# Altium PCB PCB1.PcbDoc (part 3 of 5)
Units mm, origin at the board's own origin, x right, y up, seen from the top; angles counter-clockwise.
Board outline 50 x 50 mm, 6 copper layers (Top Layer, Int1 (GND), Int2 (Sign), Int3 (Sign), Int4 (Sign), Bottom Layer), stack 1.551 mm thick; 306 components, 209 nets, 1178 pads, 764 vias.
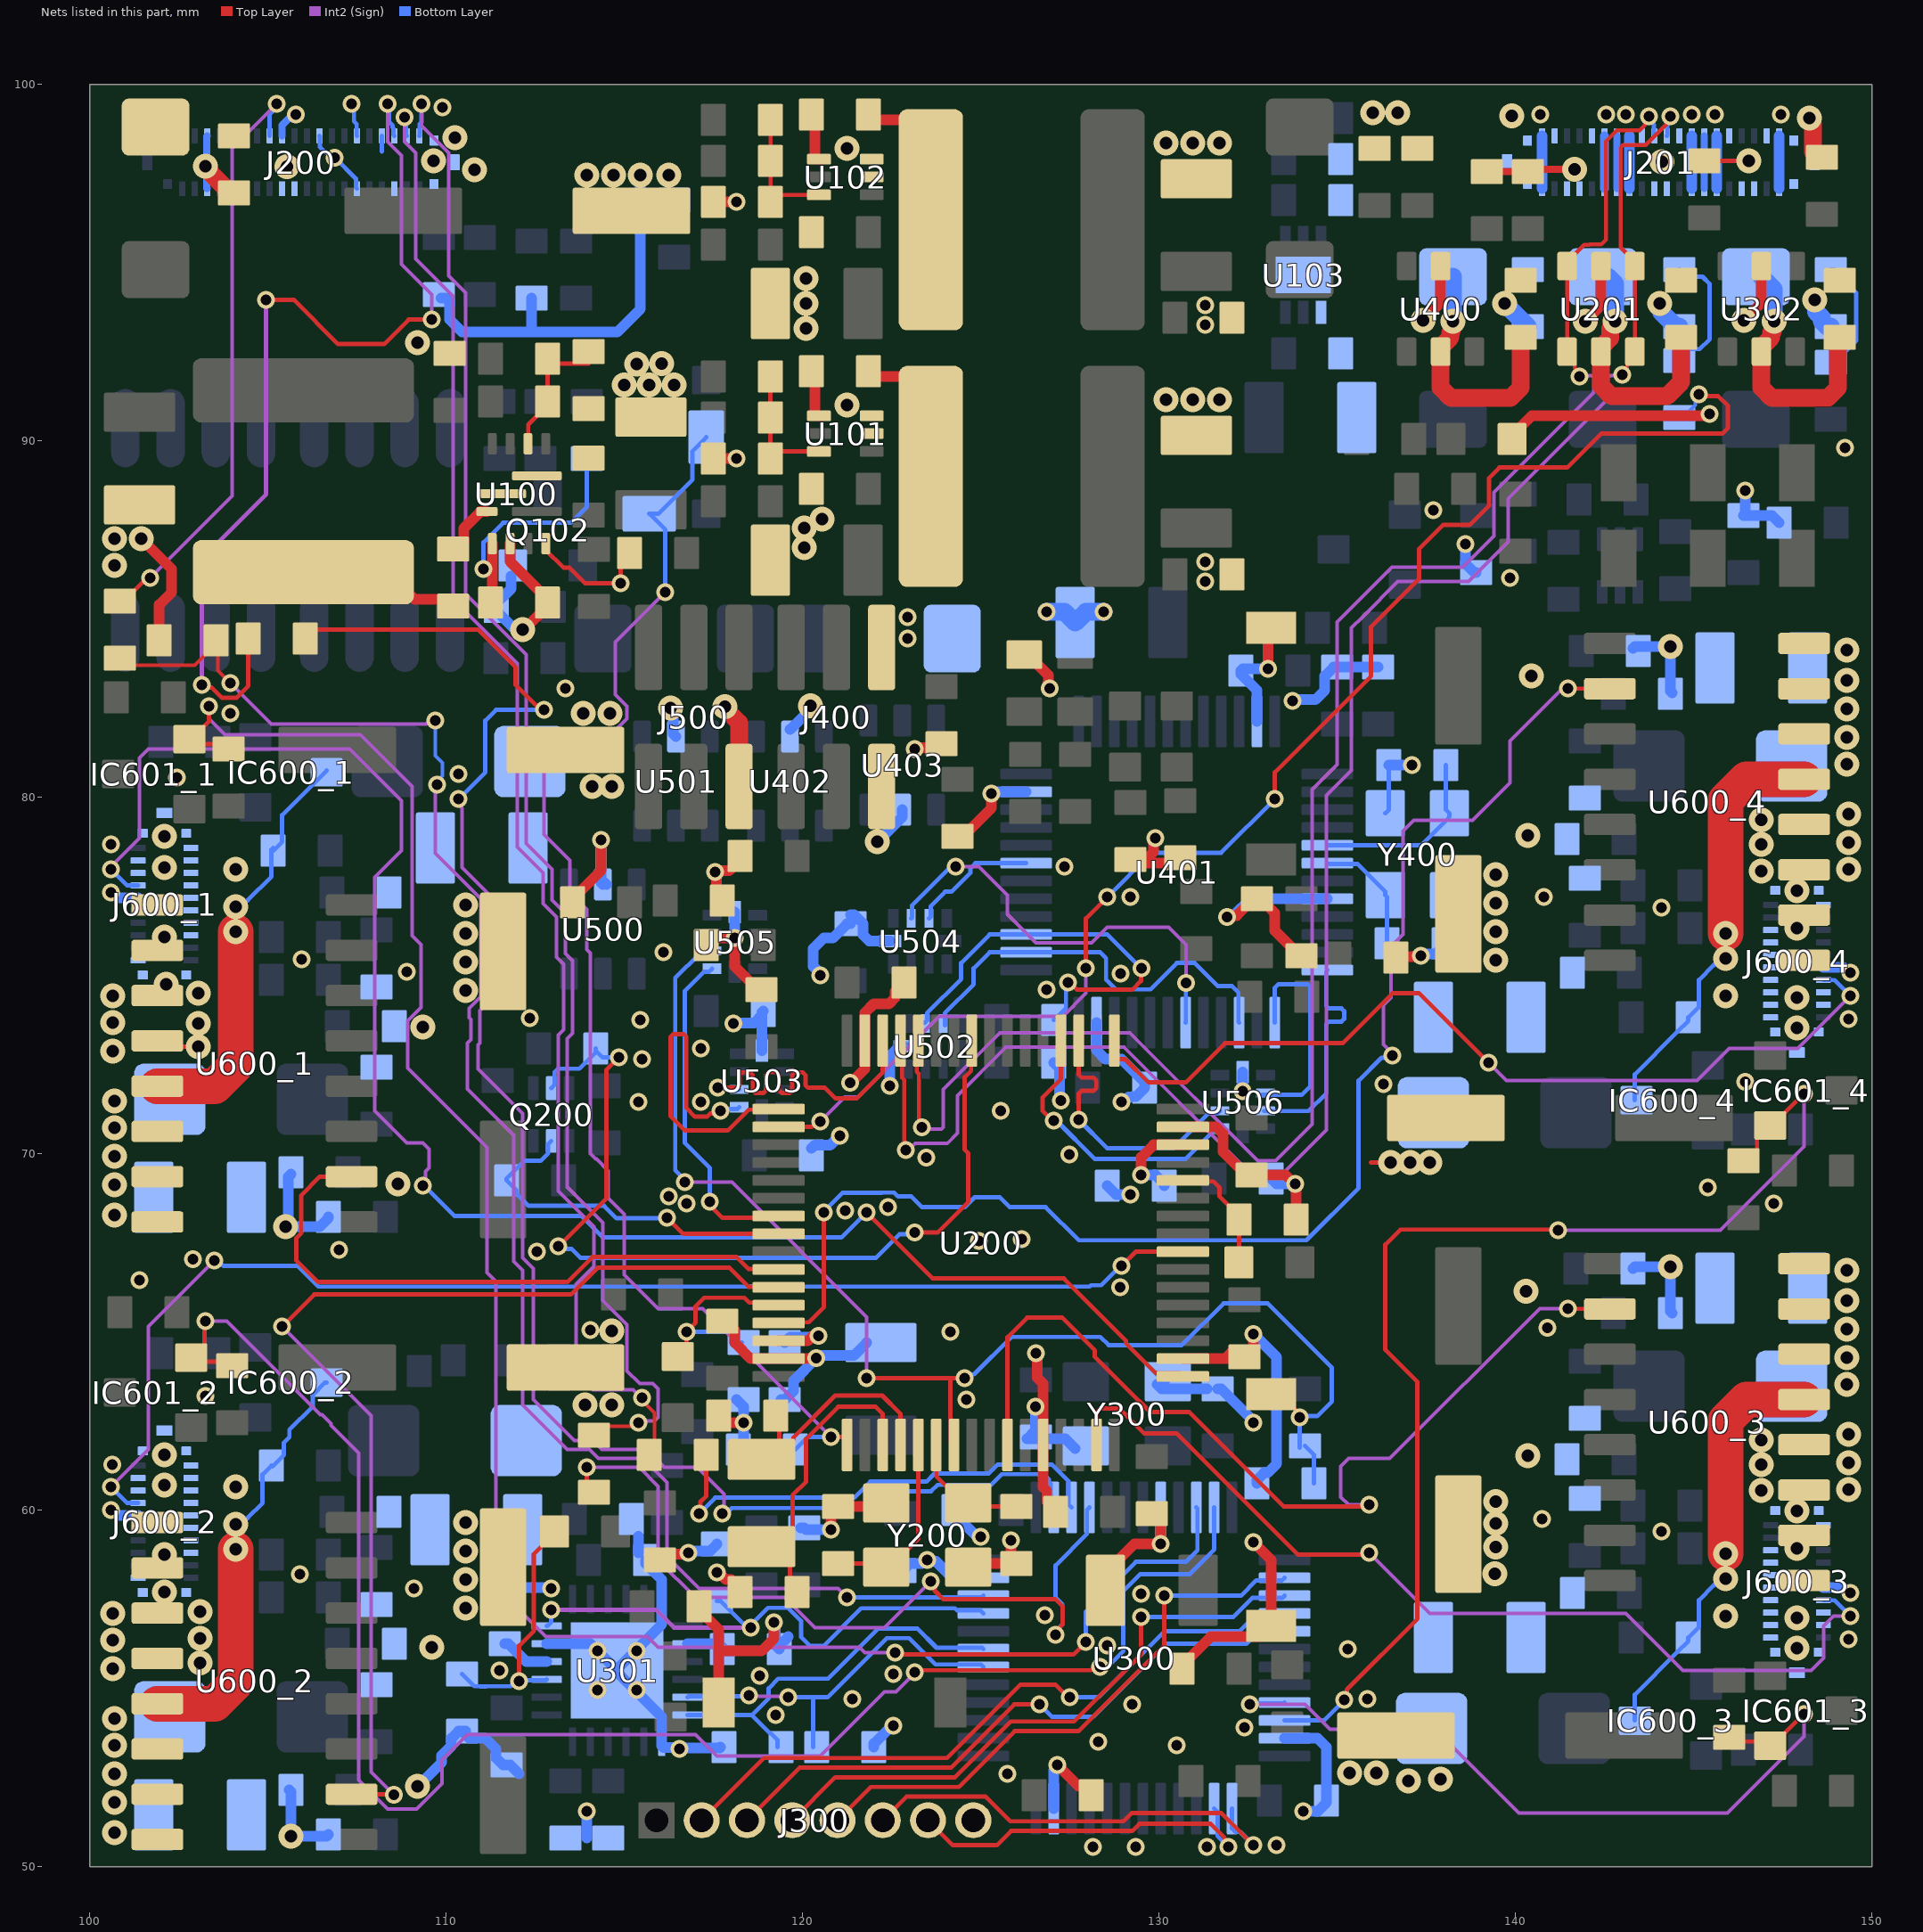
[diagram p7: the nets of this part, all layers, seen from the top]

## Via types
v1: diameter 0.5, hole 0.3, Top Layer to Bottom Layer, tented both sides, 492 vias
v2: diameter 0.7, hole 0.35, Top Layer to Bottom Layer, tented both sides, 270 vias
v3: diameter 0, hole 0.3, Top Layer to Bottom Layer, tented both sides, 2 vias

## Nets (pads, with @x,y where several pads share a name; then routed paths per layer and width w, separated by ;. In a path a pad name is that pad's centre, name@x,y a point inside that pad or via, vN(x,y) a via of type N, cw(c..) or ccw(c..) an arc to the next point about the centre after c; other vN are vias at no path point) (continued)
GND: C101.1 C102.1 C104.1 C105.1 C106.1 C107.1 C108.1 C110.1 C111.1 C113.1 C114.1 C116.1 C117.1 C119.1 C120.1 C121.1 C122.1 C123.1 C124.1 C200.2 C201.1 C202.1 C203.2 C204.2 C205.2 C206.1 C207.2 C208.2 C209.1 C210.1 C211.1 C212.1 C213.1 C214.1 C215.1 C216.1 C217.1 C218.1 C300.2 C301.1 C302.2 C303.2 C304.2 C305.1 C306.1 C307.1 C308.1 C309.1 C310.1 C311.1 C312.1 C313.1 C314.1 C315.1 C316.1 C317.1 C400.1 C401.1 C402.1 C403.2 C404.2 C405.1 C406.1 C407.1 C408.1 C409.1 C410.1 C411.1 C500.2 C501.2 C502.1 C503.1 C504.1 C505.1 C506.1 C507.1 C600_1.1 C600_2.1 C600_3.1 C600_4.1 C601_1.1 C601_2.1 C601_3.1 C601_4.1 C602_1.1 C602_2.1 C602_3.1 C602_4.1 C603_1.1 C603_2.1 C603_3.1 C603_4.1 C604_1.1 C604_2.1 C604_3.1 C604_4.1 C605_1.2 C605_2.2 C605_3.2 C605_4.2 J200.3 J200.9 J200.12 J200.15 J200.17 J200.23 J200.26 J200.38 J200.MP1 J200.MP2 J200.MP5 J201.2 J201.5 J201.7 J201.9 J201.12 J201.14 J201.16 J201.19 J201.23 J201.24 J201.27 J201.30 J201.31 J201.34 J201.37 J201.38 J201.MP1 J201.MP2 J201.MP3 J201.MP4 J201.MP5 J201.MP6 J300.8 J400.6 J500.6 J600_1.1 J600_1.6 J600_1.8 J600_1.9 J600_1.11 J600_1.14 J600_1.15 J600_1.18 J600_1.MP1 J600_1.MP2 J600_1.MP3 J600_1.MP4 J600_1.MP5 J600_1.MP6 J600_2.1 J600_2.6 J600_2.8 J600_2.9 J600_2.11 J600_2.14 J600_2.15 J600_2.18 J600_2.MP1 J600_2.MP2 J600_2.MP3 J600_2.MP4 J600_2.MP5 J600_2.MP6 J600_3.1 J600_3.6 J600_3.8 J600_3.9 J600_3.11 J600_3.14 J600_3.15 J600_3.18 J600_3.MP1 J600_3.MP2 J600_3.MP3 J600_3.MP4 J600_3.MP5 J600_3.MP6 J600_4.1 J600_4.6 J600_4.8 J600_4.9 J600_4.11 J600_4.14 J600_4.15 J600_4.18 J600_4.MP1 J600_4.MP2 J600_4.MP3 J600_4.MP4 J600_4.MP5 J600_4.MP6 LED400.2 Q102.2 R104.1 R105.1 R106.2 R110.1 R115.2 R116.1 R205.1 R207.1 R209.2 R218.1 R219.1 R300.2 R302.2 R305.2 R307.1 R309.1 R310.1 R312.1 R313.1 R402.1 R405.1 R409.1 R410.1 R411.2 R412.2 R414.2 R415.2 R500.1 R501.1 R503.1 R602_1.1 R602_2.1 R602_3.1 R602_4.1 R603_1.1 R603_2.1 R603_3.1 R603_4.1 R608_1.1 R608_2.1 R608_3.1 R608_4.1 R609_1.1 R609_2.1 R609_3.1 R609_4.1 SB500.1 SW200.2 SW300.2 SW400.2 U100.2 U100.10 U100.12 U101.3 U102.3 U103.1 U103.7 U200.12 U200.18 U200.31 U200.47 U200.63 U201.2 U300.8 U300.23 U300.35 U300.47 U301.1 U301.11 U301.18 U301.25 U302.2 U400.2 U401.8 U401.23 U401.35 U401.47 U402.2 U403.2 U500.2 U501.2 U502.5 U503.5 U504.5 U505.5 U506.5 U600_1.10 U600_1.11 U600_1.12 U600_1.14 U600_1.15 U600_1.16 U600_2.10 U600_2.11 U600_2.12 U600_2.14 U600_2.15 U600_2.16 U600_3.10 U600_3.11 U600_3.12 U600_3.14 U600_3.15 U600_3.16 U600_4.10 U600_4.11 U600_4.12 U600_4.14 U600_4.15 U600_4.16 Y200.2 Y200.4 Y300.2 Y300.4 Y400.2 Y400.4 | length 217.1
  Top Layer w0.12: U600_1.12@101.9,73.165 102.065,73 102.782,73 102.939,73.157 102.939,73.165 102.947,73.165 103.05,73.268 v2(103.05,73.65) ; v2@102.939,73.111 v2(103.05,73) ; U100.12@112.796,87.114 112.796,86.939 113.291,86.444 113.456,86.444 113.9,86 v1(114.9,86) 114.9,86.6 R104.1@115.15,86.85 ; 135.95,69.75 v2(136.5,69.75) ; R310.1@145.3,97.85 v2(146.55,97.85)
  Top Layer w0.2: R409.1@139.2,97.55 R410.1@140.35,97.55 140.41,97.61 v2(141.664,97.61)
  Top Layer w0.3: v2(101.45,87.25) 102.3,86.4 102.3,85.75 101.95,85.4 R106.2@101.95,84.4 ; U100.10@111.796,87.114 111.796,86.614 C106.1@112.846,85.564 ; v2(112.15,84.7) 112.182,84.7 112.846,85.364 C106.1@112.846,85.464 ; C500.2@113.55,77.05 113.55,77.15 114.35,77.95 v1(114.35,78.8) ; R209.2@116,58.6 116.162,58.762 116.762,58.762 v1(116.8,58.8) ; R313.1@117.1,57.3 117.1,57.2 117.65,56.65 117.65,56.05 ; R503.1@117.3,75.85 117.5,76.05 v1(118.1,76.05) 118.1,75.25 118.75,74.6 R501.1@118.85,74.6 ; R110.1@117.5,89.5 v1(118.15,89.5) ; R116.1@117.5,96.699 v1(118.15,96.699) ; v1(117.6,58.25) 117.654,58.25 117.854,58.05 118,58.05 118.25,57.8 C216.1@118.25,57.7 ; SW300.2@117.65,54.6 117.65,56.05 ; C215.1@117.65,62.65 117.85,62.45 v1(118.35,62.45) ; C213.1@117.75,65.3 117.85,65.3 118.1,65.05 118.1,64.693 118.543,64.25 U200.63@119.33,64.25 120.37,64.25 v1(120.38,64.26) ; C501.2@117.8,76.9 117.588,77.112 117.588,77.862 v1(117.55,77.9) 117.588,77.938 117.938,77.938 118.25,78.25 C404.2@118.25,78.35 ; v1(119.2,56.85) 119.2,56.4 118.85,56.05 117.65,56.05 ; v1(120.8,59.45) 120.8,59.9 C218.1@121,60.1 122.25,60.1 Y200.2@122.35,60.2 ; v1(121.328,71.995) 121.362,71.995 121.75,72.383 U200.47@121.75,73.17 121.75,73.957 121.998,74.205 122.424,74.205 122.6,74.381 122.6,74.55 C209.1@122.85,74.8 ; v1(123.15,81.35) 123.188,81.388 123.788,81.388 C403.2@123.9,81.5 ; C406.1@124.4,78.9 124.6,79.1 124.7,79.1 125.3,79.7 v1(125.3,80.1) ; Y200.4@124.65,58.4 124.75,58.5 C217.1@126,58.5 125.85,58.65 v1(125.85,59.15) ; LED400.2@126.221,84 126.321,84 126.897,83.424 126.897,83.094 v1(126.935,83.055) ; v1(126.55,64.4) 126.588,64.362 126.588,63.712 126.75,63.55 U200.12@126.75,61.83 126.75,60.645 126.85,60.545 126.85,60.25 C211.1@127.1,60 ; v1(127.15,52.85) 127.75,52.25 127.85,52.25 C312.1@128.1,52 C312.1@128.1,51.9 ; C315.1@128.4,57.75 128.4,58.2 128.8,58.6 128.855,58.6 129.305,59.05 v1(130.05,59.05) 130.05,59.65 C314.1@129.8,59.9 ; R415.2@129.05,78.15 129.8,78.15 ; v1(129.897,78.853) 129.849,78.806 129.849,78.47 129.75,78.372 129.75,78.2 129.8,78.15 ; R414.2@130.5,78.15 129.8,78.15 ; R312.1@130.65,55.55 130.65,55.65 131.45,56.45 132.85,56.45 SW200.2@133.15,56.75 133.15,58.6 v1(132.65,59.1) ; U200.18@130.67,64.25 131.85,64.25 ; U200.31@130.67,70.75 131.6,70.75 131.8,70.55 131.8,70.05 132.45,69.4 C210.1@132.6,69.4 133.548,69.4 133.798,69.15 v1(133.824,69.15) 133.85,69.15 R218.1@133.85,68.15 ; v1(131.914,76.642) 131.952,76.681 132.181,76.681 C405.1@132.6,77.1 ; C212.1@132.25,64.3 132.2,64.25 131.85,64.25 ; v1(132.65,64.94) 132.65,64.55 132.55,64.45 132.05,64.45 131.85,64.25 ; C405.1@132.75,77.15 132.85,77.15 133.25,76.75 133.25,76.254 133.7,75.804 133.7,75.75 133.9,75.55 C402.1@134,75.55 ; v1(133.065,83.6) 133.065,84.665 SW400.2@133.15,84.75 ; R405.1@136.65,75.55 136.675,75.525 137.325,75.525 v1(137.35,75.55) ; v2(137.409,93.378) 137.9,93.869 U400.2@137.9,94.9 ; SB500.1@139.907,90.05 140.164,90.306 140.164,90.408 140.456,90.7 145.346,90.7 145.396,90.75 v1(145.45,90.75) ; v2(141.955,93.35) 141.955,93.354 142.4,93.799 U201.2@142.4,94.9 ; v2(146.411,93.385) 146.9,93.873 U302.2@146.9,94.9
  Top Layer w0.5: v2(103.25,97.7) 103.25,97.65 103.95,96.95 C201.1@104.05,96.95 ; v2(117.817,82.546) 117.817,82.492 118.22,82.089 J500.6@118.22,80.3 ; v2(148.25,99.05) 148.25,98.996 148.35,98.896 148.35,98.1 148.5,97.95 R309.1@148.6,97.95
  Bottom Layer w0.12: J200.12@106.45,98.553 106.456,98.547 106.456,98.244 106.597,98.103 106.628,98.103 106.786,97.945 v1(106.877,97.945) ; v1(106.877,97.945) 107.471,97.351 107.471,97.102 J200.26@107.5,97.073 ; v1(107.35,99.45) 107.415,99.385 107.415,98.964 107.49,98.889 107.49,98.563 J200.15@107.5,98.553 ; 108.2,98.114 J200.17@108.2,98.553 ; Y300.4@129.66,64.09 130.15,63.6 Y300.4@130.25,63.6 ; Y400.4@136.35,79.55 136.45,79.65 C410.1@136.45,80.9 ; C411.1@138,75.9 138.008,75.908 138.008,77.108 Y400.2@138.15,77.25
  Bottom Layer w0.2: J200.38@103.3,97.073 103.29,97.083 103.29,97.66 v2(103.25,97.7) 103.29,97.74 103.29,98.543 J200.3@103.3,98.553 ; J200.9@105.4,98.553 105.4,98.851 105.699,99.15 v1(105.778,99.15) ; J201.34@142.85,97.073 J201.7@142.85,98.553 ; J201.27@145.3,97.073 J201.14@145.3,98.553
  Bottom Layer w0.3: v1(100.6,60) 100.654,60 100.804,59.85 J600_2.6@101.36,59.85 ; v1(100.6,77.325) 100.654,77.325 100.804,77.175 J600_1.6@101.36,77.175 ; R602_2.1@105.6,52.15 105.65,52.1 v2(105.65,50.85) 106.65,50.85 C601_2.1@106.7,50.9 ; R602_1.1@105.65,69.425 105.575,69.35 105.575,68.025 v2(105.5,67.95) 106.45,67.95 106.7,68.2 C601_1.1@106.7,68.225 ; v2(109.2,52.25) 109.875,52.925 109.875,53.117 110.15,53.392 110.15,53.6 110.35,53.8 R307.1@110.45,53.8 ; C203.2@109.856,94 110,94 110.1,93.9 110.1,93.4 110.45,93.05 112.45,93.05 ; R307.1@110.55,53.8 R307.1@110.45,53.8 ; C303.2@111.65,57.85 111.675,57.825 112.925,57.825 v1(112.95,57.8) ; C304.2@111.7,52.85 111.6,52.85 111.4,53.05 111.4,53.3 111.1,53.6 110.65,53.6 R307.1@110.45,53.8 ; C304.2@111.8,52.85 C304.2@112.05,52.6 ; Q102.2@111.82,86.2 111.82,85.852 111.404,85.436 R115.2@111.404,85.336 111.404,85.236 111.864,84.777 112.073,84.777 v2(112.15,84.7) ; C204.2@112.4,94 112.4,93.1 112.45,93.05 ; U301.11@112.825,56.25 114.05,56.25 v1(114.25,56.05) U301.25@114.8,55.5 114.8,55.55 116.05,56.8 116.05,58.05 C306.1@115.6,58.5 ; 113.95,50.8 v1(113.95,51.55) ; v1(114.35,78.8) 114.35,77.6 U500.2@114.4,77.55 ; U500.2@114.45,77.6 U500.2@114.5,77.55 ; U301.25@114.8,55.45 115.325,54.925 116.05,54.2 U301.1@116.05,53.5 116.05,53.388 116.1,53.338 116.512,53.338 v1(116.55,53.3) 116.575,53.325 117.675,53.325 R302.2@117.7,53.35 ; C306.1@115.4,58.8 115.4,59.266 ; v2(115.45,97.45) 115.45,93.7 114.8,93.05 112.45,93.05 ; C306.1@115.6,58.6 115.6,58.562 115.8,58.762 116.762,58.762 v1(116.8,58.8) 116.854,58.8 116.904,58.85 117.4,58.85 R300.2@117.6,59.05 ; v2(116.3,82.5) 116.375,82.425 116.375,81.775 U501.2@116.45,81.7 ; v1(118.065,73.65) 118.085,73.67 118.65,73.67 C506.1@118.86,73.88 ; v1(118.1,76.05) U505.5@118.1,76.78 ; R219.1@118.15,63.1 118.35,62.9 v1(118.35,62.45) 118.35,61.85 C206.1@118.2,61.7 ; U503.5@118.86,72.89 C506.1@118.86,73.88 ; C506.1@118.9,74 118.86,73.96 C506.1@118.86,73.88 ; v1@119.238,56.888 v1(119.2,56.85) 119.238,56.812 119.238,56.212 C302.2@119.35,56.1 ; C302.2@119.35,56.2 C302.2@119.6,56.45 ; C208.2@119.4,63.1 C208.2@119.5,63.1 119.75,63.35 119.75,63.63 v1(120.38,64.26) ; U402.2@119.65,81.9 120.225,82.475 v2(120.225,82.564) ; C309.1@119.95,59.5 C309.1@120.05,59.5 120.1,59.45 v1(120.8,59.45) ; C504.1@120.25,70.15 120.342,70.242 120.774,70.242 121.033,70.5 v1(121.05,70.5) ; v1@120.32,64.262 120.397,64.338 121.438,64.338 C214.1@121.8,64.7 ; v1(120.5,75) 120.5,75.054 120.3,75.254 120.3,75.757 120.593,76.05 120.85,76.05 121.25,76.45 C505.1@121.35,76.45 ; C505.1@121.35,76.7 121.45,76.7 121.7,76.45 121.7,76.136 121.876,75.96 U504.5@122.46,75.96 ; R305.2@122,53.35 122,53.45 122.5,53.95 v1(122.55,53.95) ; v2(122.1,78.75) 122.8,79.45 U403.2@122.8,79.65 ; v1(122.45,71.9) 122.45,72.74 122.72,73.01 U502.5@122.86,73.01 ; C311.1@122.8,58.3 123,58.5 123.346,58.5 123.446,58.6 v1(123.5,58.6) 123.538,58.562 123.745,58.562 124.207,58.1 U300.47@125.075,58.1 ; C310.1@124.2,60.05 124.2,59.95 124.862,59.288 124.962,59.288 v1(125,59.25) ; v1(125.3,80.1) 125.354,80.1 125.404,80.15 U401.35@126.275,80.15 ; v1(126.53,62.9) 126.53,62.23 126.3,62 127.375,62 Y300.2@127.65,61.725 ; U300.35@127.05,51.625 v1@127.05,52.7 ; C503.1@127.05,72.55 127.212,72.388 127.212,71.53 v1(127.25,71.492) ; U401.23@128.25,73.675 128.25,72.898 128.498,72.65 128.551,72.65 128.95,72.65 129.6,72 C408.1@129.6,71.85 129.35,71.6 129.25,71.6 129.238,71.588 129.142,71.588 129.004,71.45 v1(128.95,71.45) ; C207.2@128.55,69.1 128.8,68.85 v1(129.2,68.85) ; Y300.4@129.95,63.525 130.075,63.4 C316.1@131.35,63.4 ; v1(130.05,59.05) U300.8@130.05,60.075 ; C316.1@131.65,63.4 131.75,63.4 132.65,62.5 v1(132.65,62.45) ; v1(131.914,76.642) 131.951,76.68 132.094,76.68 132.564,77.15 U401.8@134.725,77.15 ; v1(132.35,71.75) U506.5@132.35,72.29 ; v1(132.65,64.94) 133.3,64.29 133.3,61.3 133.05,61.05 132.95,61.05 132.75,60.85 C205.2@132.75,60.75 ; U401.47@132.75,82.125 132.75,83 132.3,83.45 C407.1@132.3,83.55 132.35,83.6 v1(133.065,83.6) ; C507.1@133.15,69.3 133.3,69.15 v1(133.824,69.15) ; U300.23@133.525,53.6 134.45,53.6 134.7,53.35 C313.1@134.7,51.85 134.7,51.8 134.45,51.55 v1(134.05,51.55) ; v1(133.75,82.7) 133.788,82.738 134.389,82.738 134.65,82.999 134.65,83.4 134.9,83.65 R411.2@135,83.65 R412.2@136.15,83.65 ; C410.1@136.45,80.9 v1(137.1,80.9) ; v1(137.35,75.55) 137.404,75.55 137.454,75.6 137.8,75.6 137.8,75.638 138,75.838 C411.1@138,75.9 ; v1(138.6,87.1) 138.6,86.55 138.85,86.3 R402.1@138.9,86.3 ; C601_3.1@143.3,66.775 143.35,66.825 v2(144.35,66.825) 144.35,65.575 R602_3.1@144.4,65.525 ; C601_4.1@143.3,84.175 143.35,84.225 v2(144.35,84.225) 144.35,82.975 R602_4.1@144.4,82.925 ; v1(146.45,88.6) 146.45,87.95 C502.1@146.4,87.9 147.2,87.9 R500.1@147.4,87.7 ; J600_3.6@148.64,57.825 149.196,57.825 149.346,57.675 v1(149.4,57.675) ; J600_4.6@148.64,75.225 149.196,75.225 149.346,75.075 v1(149.4,75.075)
  Bottom Layer w0.5: v1(126.85,85.2) 127.35,85.2 C409.1@127.65,84.9 127.95,85.2 v1(128.45,85.2) ; v2(139.7,93.85) C400.1@140.35,93.2 ; v2(144.05,93.85) 144.088,93.812 144.088,93.612 144.5,93.2 C200.2@144.6,93.2 ; v2(148.4,93.95) 148.438,93.912 148.438,93.612 148.6,93.45 148.6,93.35 148.75,93.2 C300.2@148.85,93.2
  other v1: 128.15,50.55 129.35,50.55 131.35,50.55 133.3,50.6 125.75,52.6 130.5,53.4 128.3,53.5 132.4,53.9 119.25,54.25 129.25,54.55 121.4,54.7 135.85,54.7 114.25,54.95 115.35,54.95 118.8,55.35 122.55,55.4 111.5,55.5 115.35,56.05 135.3,56.1 128.55,56.2 149.35,56.375 126.8,57.05 129.5,57.65 109.1,57.8 105.9,58.2 144.1,59.4 140.75,59.75 100.632,61.282 124.6,63.1 103.25,63.2 124.15,65 114.05,65.05 140.903,65.119 128.904,66.256 101.399,66.449 102.9,67.04 112.55,67.25 107,67.3 124.95,67.55 126.15,67.6 121.2,68.4 122.4,68.5 116.75,68.6 147.25,68.6 116.25,68.8 145.4,69.05 123.47,69.885 127.483,69.983 125.56,71.2 115.4,71.45 117.15,71.45 136.3,71.95 146.448,72.019 115.5,72.65 117.152,72.95 115.45,73.75 149.35,73.775 112.35,73.8 126.85,74.6 128.925,75.05 108.9,75.1 105.95,75.45 116.1,75.65 144.1,76.9 129.2,77.2 140.8,77.2 127.35,78.05 100.598,78.677 102.45,80.55 110.35,80.65 103.95,82.35 113.35,83.05 131.3,86.05 139.85,86.15 131.3,86.6 137.7,88.05 149.25,89.8 131.3,93.249 131.3,93.799 140.7,99.15 142.55,99.15 143.1,99.15 144.95,99.15 145.6,99.15 147.45,99.15 109.9,99.35
  other v2: 100.7,50.95 100.7,51.8 137,52.4 137.9,52.45 100.7,52.6 135.35,52.625 136.1,52.625 100.7,53.4 100.7,54.15 100.65,55.55 103.1,55.715 147.9,56.125 109.6,56.15 100.65,56.35 103.1,56.4 100.65,57.1 103.1,57.15 110.55,57.25 102.1,57.7 110.55,58.05 139.421,58.221 102.1,58.75 110.55,58.85 147.9,58.925 139.45,58.96 139.45,59.625 110.55,59.65 147.9,59.975 139.45,60.24 146.9,60.55 149.35,60.575 146.9,61.275 149.35,61.325 140.35,61.525 102.1,61.55 146.9,61.96 149.35,62.125 113.9,62.95 114.65,62.95 149.3,63.525 149.3,64.275 114.65,65.025 149.3,65.075 149.3,65.875 140.297,66.136 149.3,66.725 100.7,68.275 100.7,69.125 108.65,69.15 137.05,69.75 137.6,69.75 100.7,69.925 100.7,70.725 100.7,71.475 100.65,72.875 147.9,73.525 109.35,73.55 100.65,73.675 100.65,74.425 103.05,74.5 110.55,74.575 102.15,74.75 110.55,75.375 139.45,75.425 102.1,76.075 110.55,76.175 139.45,76.225 147.9,76.325 110.55,76.975 139.45,77.025 147.9,77.375 139.45,77.825 146.9,77.925 149.35,77.975 146.9,78.675 149.35,78.725 102.1,78.9 140.35,78.925 146.9,79.36 149.35,79.525 114.1,80.3 114.65,80.3 149.3,80.925 149.3,81.675 113.85,82.35 114.6,82.35 149.3,82.475 149.3,83.275 140.45,83.4 149.3,84.125 100.7,86.5 120.05,87 100.7,87.25 120.05,87.55 120.55,87.8 121.25,91 130.2,91.15 130.95,91.15 131.7,91.15 114.996,91.564 115.696,91.564 116.396,91.564 115.35,92.15 116.046,92.164 109.2,92.75 120.1,93.149 120.1,93.849 120.1,94.549 113.95,97.45 114.7,97.45 116.25,97.45 110.8,97.603 109.65,97.85 144.108,97.835 121.25,98.199 130.2,98.349 130.95,98.349 131.7,98.349 110.25,98.5 139.9,99.12 136,99.2 136.7,99.2
Ignition_detect: R103.2 R106.1 U300.46 | length 47.9
  Top Layer w0.1: R103.2@100.85,83.9 101.05,83.7 102.946,83.7 103.246,84 103.25,84 103.55,84.3 R106.1@103.55,84.4 103.6,84.35 103.6,83.55 v1(103.95,83.2)
  Int2 (Sign) w0.1: v1(103.95,83.2) 105.1,82.05 109.441,82.05 109.465,82.073 109.623,82.073 v1(109.7,82.15) ; v1(109.75,80.35) 109.7,80.3 109.7,78.426 110.975,77.151 110.975,74.399 110.65,74.074 110.65,73.819 110.7,73.769 110.7,73.204 110.6,73.104 110.6,71.811 111.9,70.511 111.9,66.981 112.15,66.731 112.15,62.95 113.4,61.7 114.016,61.7 114.266,61.45 115.523,61.45 116.2,60.773 116.2,58.7 117.1,57.8 121,57.8 v1(121.25,57.55)
  Bottom Layer w0.1: v1(109.7,82.15) 109.7,81.162 109.9,80.962 109.9,80.608 109.75,80.458 v1(109.75,80.35)
  Bottom Layer w0.12: v1(121.25,57.55) 125.025,57.55 U300.46@125.075,57.6
IMU1_ADDR: R307.2 SB300.1 U301.9 | length 7.2
  Top Layer w0.12: v1(112.05,55.2) 112.05,56.2 112.46,56.61 112.46,58.774 113.043,59.356 SB300.1@113.043,59.4
  Bottom Layer w0.12: R307.2@110.45,55.4 110.79,55.06 110.95,55.06 110.96,55.05 111.126,55.05 111.136,55.06 111.807,55.06 111.947,55.2 v1(112.05,55.2) 112.075,55.225 112.8,55.225 U301.9@112.825,55.25
IMU1_INT: R300.1 U300.45 U301.12 | length 15.5
  Int2 (Sign) w0.12: v1(112.95,57.2) 115.9,57.2 116.4,56.7 v1(118.55,56.7)
  Bottom Layer w0.12: U301.12@112.825,56.75 112.835,56.75 112.95,56.865 v1(112.95,57.2) ; R300.1@117.6,57.45 117.7,57.45 118.45,56.7 v1(118.55,56.7) ; v1@118.55,56.78 119.03,57.26 119.59,57.26 119.96,56.89 119.96,56.44 120.21,56.19 120.59,56.19 121.645,57.245 124.28,57.245 124.33,57.195 124.34,57.195 124.345,57.19 124.985,57.19 U300.45@125.075,57.1
IMU1_SCL: R305.1 U300.42 U301.23 | length 10.8
  Int2 (Sign) w0.1: v1(118.5,54.8) 118.525,54.775 119.575,54.775 v1(119.6,54.75)
  Bottom Layer w0.12: U301.23@116.775,54.75 116.8,54.775 118.475,54.775 v1(118.5,54.8) ; v1(119.6,54.75) 120.04,54.75 120.3,54.75 ; R305.1@120.3,53.35 120.3,54.75 ; U300.42@125.075,55.6 125.005,55.67 123.73,55.67 122.99,56.41 122.36,56.41 120.7,54.75 120.3,54.75
IMU1_SDA: R302.1 U300.43 U301.24 | length 10.9
  Bottom Layer w0.12: U301.24@116.775,54.25 118.5,54.25 118.58,54.25 ; R302.1@119.3,53.35 119.3,53.55 119.11,53.74 119.09,53.74 118.58,54.25 ; U300.43@125.075,56.1 125.034,56.141 123.759,56.141 123.22,56.68 122.13,56.68 120.72,55.27 119.32,55.27 119.05,55 119.05,54.72 118.58,54.25
IMU2_INT1: J300.6 U300.25 | length 12.8
  Top Layer w0.12: J300.6@122.25,51.3 122.915,51.965 125.135,51.965 125.83,51.27 129,51.27 129.23,51.5 131.75,51.5 v1(132.65,50.6)
  Bottom Layer w0.12: U300.25@132.05,51.625 132.05,51.069 132.14,50.979 132.271,50.979 v1(132.65,50.6)
IMU2_INT2: J300.7 U300.26 | length 10.6
  Top Layer w0.12: J300.7@123.52,51.3 124.22,50.6 125.45,50.6 125.85,51 129.25,51 129.45,51.2 131.45,51.2 131.841,50.809 131.841,50.762 131.95,50.653 v1(131.95,50.55)
  Bottom Layer w0.12: U300.26@131.55,51.625 131.64,51.535 131.64,50.86 v1(131.95,50.55)
IMU2_MISO: J300.2 U300.16 | length 19
  Top Layer w0.12: J300.2@117.17,51.3 118.915,53.045 124.049,53.045 126.104,55.1 127.1,55.1 127.45,54.75 v1(127.5,54.75)
  Bottom Layer w0.12: v1(127.5,54.75) 128.3,54.75 130.15,56.6 132.25,56.6 132.701,57.051 133.476,57.051 U300.16@133.525,57.1
IMU2_MOSI: J300.3 U300.17 | length 17.6
  Top Layer w0.12: J300.3@118.44,51.3 119.915,52.775 124.161,52.775 125.936,54.55 v1(126.65,54.55)
  Bottom Layer w0.12: v1(126.65,54.55) 127,54.2 128.15,54.2 130.2,56.25 132.45,56.25 132.73,56.53 133.455,56.53 U300.17@133.525,56.6
IMU2_SCK: J300.4 U300.15 | length 17
  Top Layer w0.12: J300.4@119.71,51.3 120.915,52.505 124.273,52.505 125.838,54.07 127.62,54.07 129.5,55.95 v1(129.5,57)
  Bottom Layer w0.12: v1(129.5,57) 132.082,57 132.62,57.538 133.463,57.538 U300.15@133.525,57.6